# Allegro board mini_trx_layout.brd (continued)
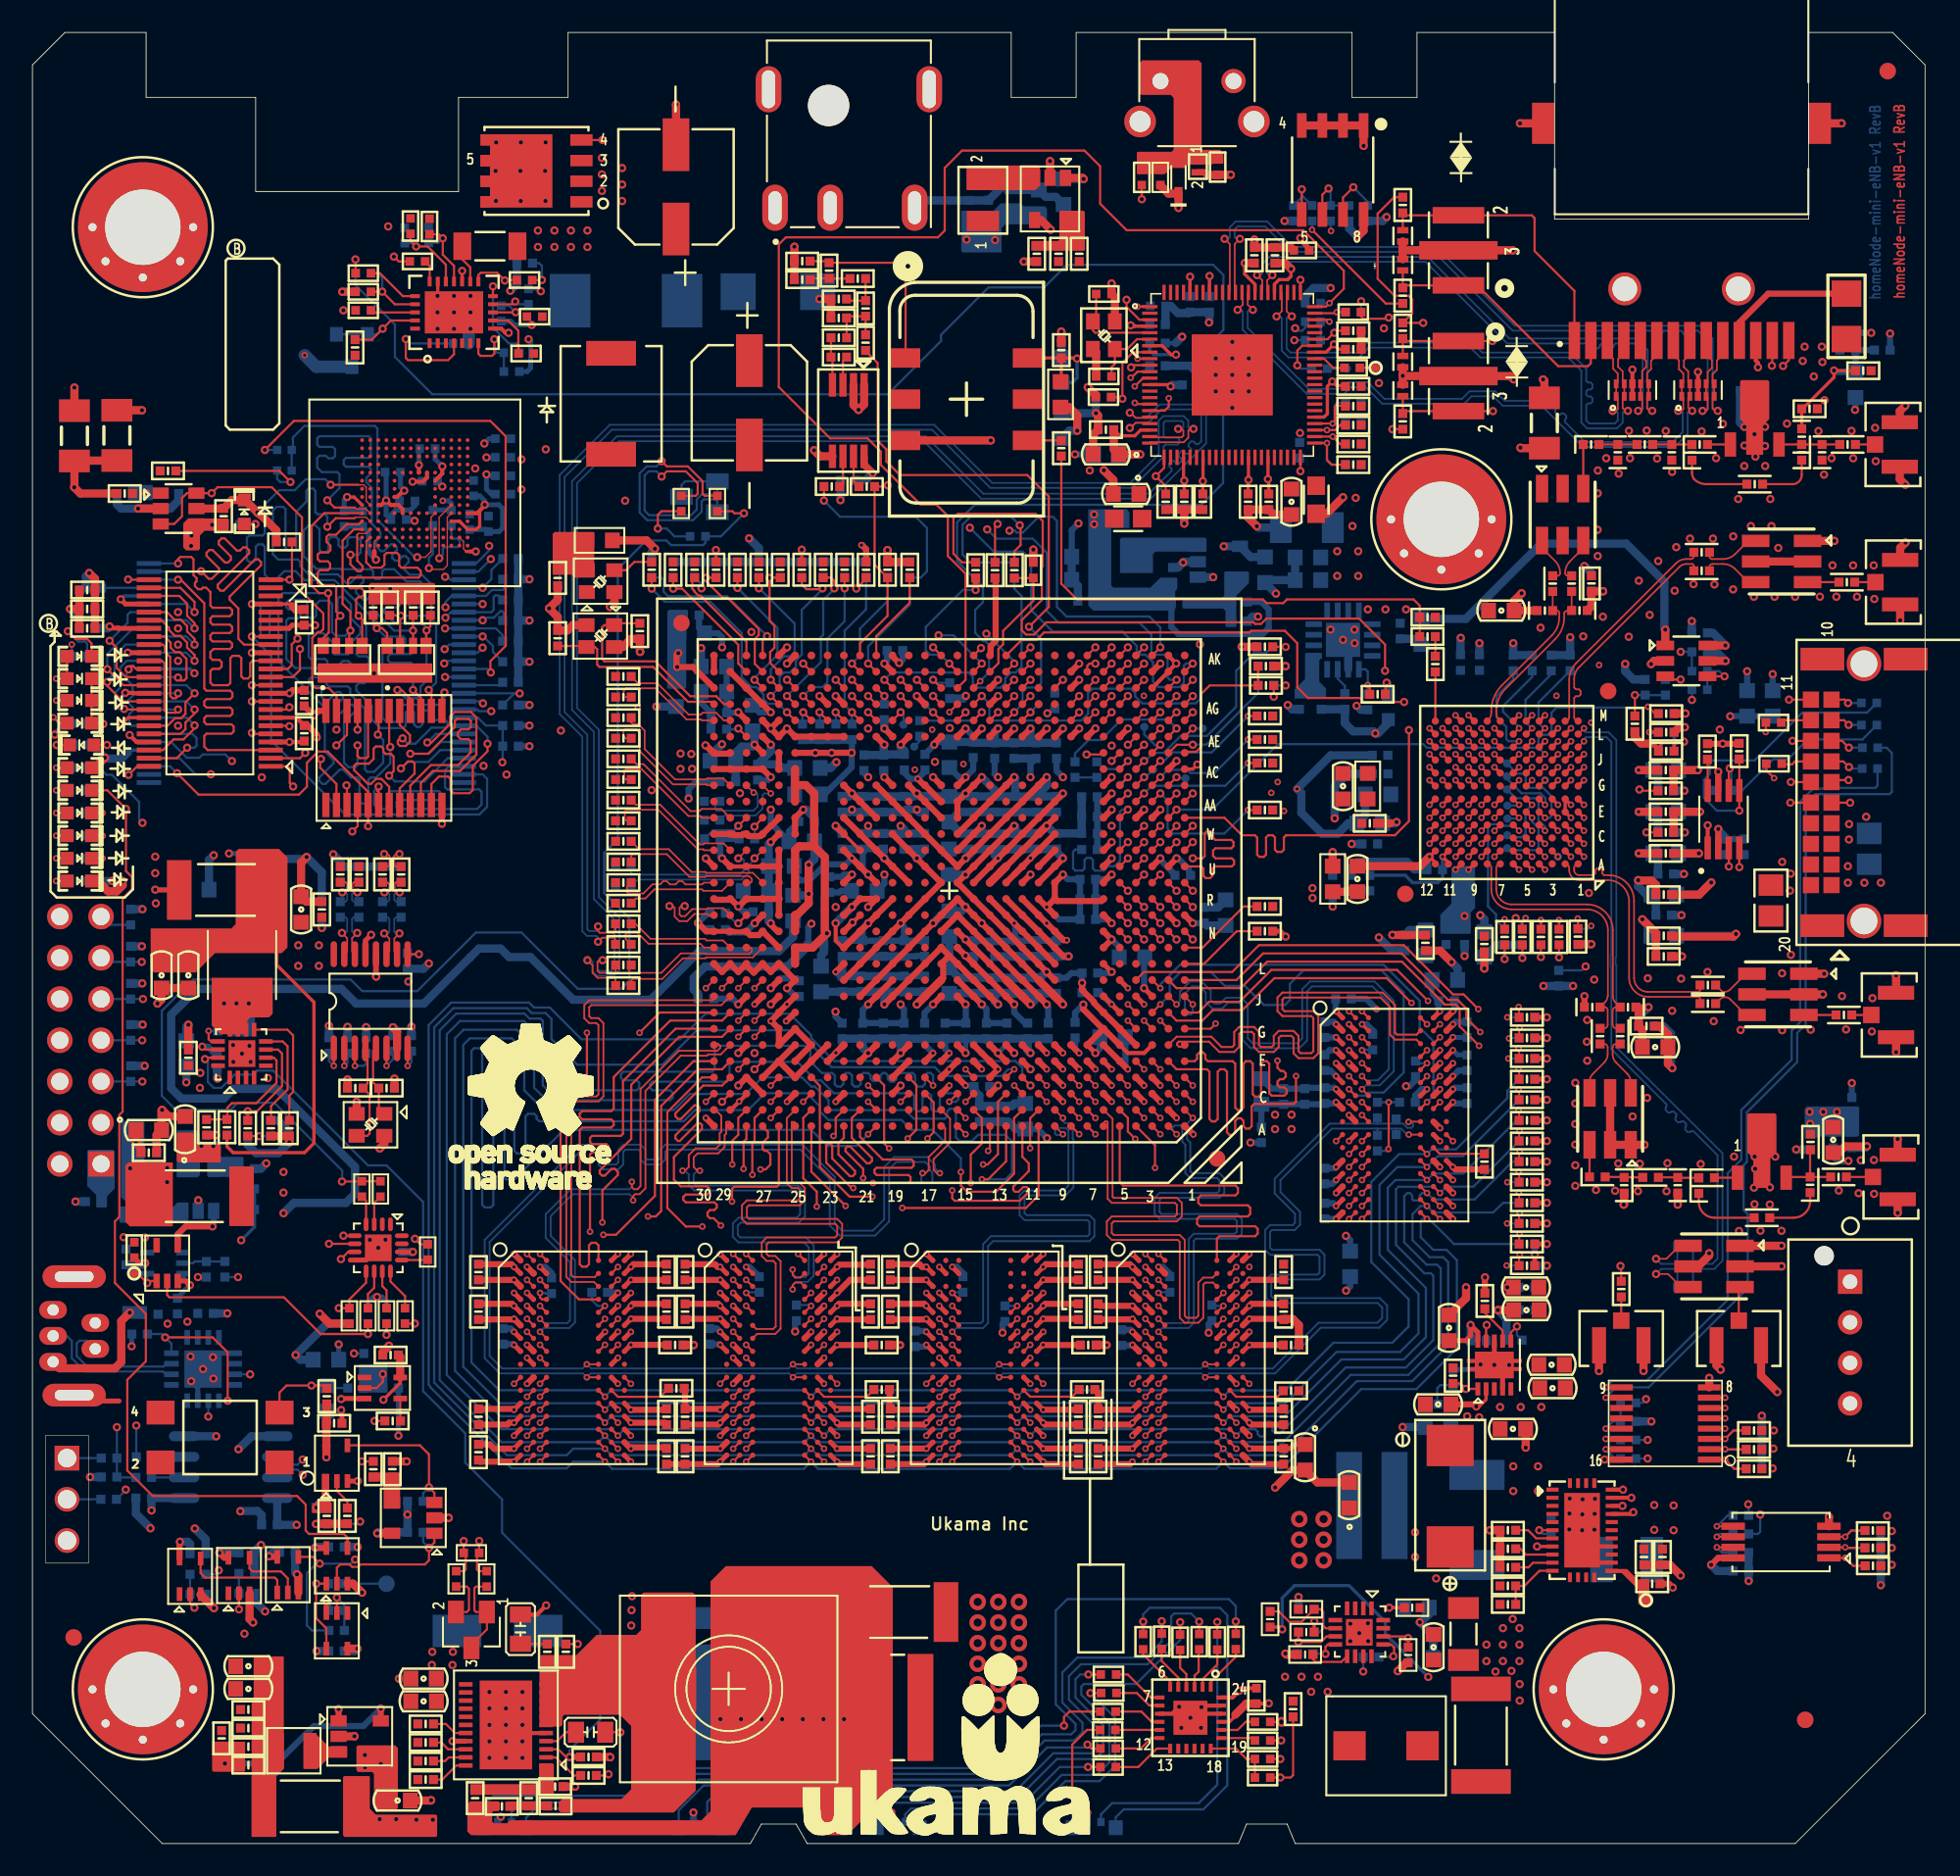
[diagram p0: board, top side]
## Footprints (pads in the part's own frame, mm; a bottom-side part is the same pattern mirrored in y, then rotated) (continued)
HDR7X2
  rect 1.575x1.575 hole 1.067: 1(0,0)
  round 1.575 hole 1.067: 2(0,2.54) 3(2.54,0) 4(2.54,2.54) 5(5.08,0) 6(5.08,2.54) 7(7.62,0) 8(7.62,2.54) 9(10.16,0) 10(10.16,2.54) 11(12.7,0) 12(12.7,2.54) 13(15.24,0) 14(15.24,2.54)
HOLE-1
  round 8 hole 4.648: 1(0,0)
  round 1 hole 0.5: 3(-3.1,0) 4(3.1,0) 5(0,-3.1) 6(-2.3,-2.1) 7(2.3,-2.1)
IC_ADP1755ACPZ-R7
  rect 1.016x0.356 smd: 1(-1.803,0.965) 2(-1.803,0.315) 3(-1.803,-0.335) 4(-1.803,-0.985) 9(1.803,-0.985) 10(1.803,-0.335) 11(1.803,0.315) 12(1.803,0.965)
  rect 0.356x1.016 smd: 5(-0.975,-1.813) 6(-0.325,-1.813) 7(0.325,-1.813) 8(0.975,-1.813) 13(0.975,1.793) 14(0.325,1.793) 15(-0.325,1.793) 16(-0.975,1.793)
  rect 2.108x2.108 smd: 17(0,0)
IC_JS28F512M29EWH
  rect 1.5x0.3 smd: 1(-9.7,6.75) 2(-9.7,6.25) 3(-9.7,5.75) 4(-9.7,5.25) 5(-9.7,4.75) 6(-9.7,4.25) 7(-9.7,3.75) 8(-9.7,3.25) 9(-9.7,2.75) 10(-9.7,2.25) 11(-9.7,1.75) 12(-9.7,1.25) 13(-9.7,0.75) 14(-9.7,0.25) 15(-9.7,-0.25) 16(-9.7,-0.75) 17(-9.7,-1.25) 18(-9.7,-1.75) 19(-9.7,-2.25) 20(-9.7,-2.75) 21(-9.7,-3.25) 22(-9.7,-3.75) 23(-9.7,-4.25) 24(-9.7,-4.75) 25(-9.7,-5.25) 26(-9.7,-5.75) 27(-9.7,-6.25) 28(-9.7,-6.75) 29(9.7,-6.75) 30(9.7,-6.25) 31(9.7,-5.75) 32(9.7,-5.25) 33(9.7,-4.75) 34(9.7,-4.25) 35(9.7,-3.75) 36(9.7,-3.25) 37(9.7,-2.75) 38(9.7,-2.25) 39(9.7,-1.75) 40(9.7,-1.25) 41(9.7,-0.75) 42(9.7,-0.25) 43(9.7,0.25) 44(9.7,0.75) 45(9.7,1.25) 46(9.7,1.75) 47(9.7,2.25) 48(9.7,2.75) 49(9.7,3.25) 50(9.7,3.75) 51(9.7,4.25) 52(9.7,4.75) 53(9.7,5.25) 54(9.7,5.75) 55(9.7,6.25) 56(9.7,6.75)
IC_TPS51200
  rect 0.813x0.305 smd: 1(-1.473,1.016) 2(-1.473,0.508) 3(-1.473,0) 4(-1.473,-0.508) 5(-1.473,-1.016) 6(1.473,-1.016) 7(1.473,-0.508) 8(1.473,0) 9(1.473,0.508) 10(1.473,1.016)
  custom 1.65x3.4 smd: EP1(0,0)
IND270X220X120
  rect 0.625x2 smd: 1(-0.937,0) 2(0.937,0)
IND-2520
  rect 0.8x2.2 smd: 1(-1,0) 2(1,0)
IND_5P55_7P4X6P8_5P00
  rect 1.85x3.4 smd: 1(-2.775,0) 2(2.775,0)
IND_VLCF4020
  rect 1.2x3.7 smd: 1(-1.4,0) 2(1.4,0)
INDC1608X95M
  rect 1.143x1.092 smd: 1(-0.864,0) 2(0.864,0)
INDP290X270X170
  rect 1.25x2 smd: 1(-1.275,0) 2(1.275,0)
L-1260X1260X600-2N
  rect 2.7x4 smd: 1(0,4) 2(0,-4)
LED-0603-12
  rect 0.8x0.8 smd: 1(0,0.75) 2(0,-0.75)
LED_XZCCBDMEDGK-4N
  rect 0.864x0.914 smd: 1(-1.332,0.175) 4(1.332,0.175)
  rect 0.45x0.5 smd: 2(-0.425,-0.175) 3(0.425,-0.175)
LM73606
  rect 0.75x0.25 smd: 1(-1.825,2.5) 2(-1.825,2) 3(-1.825,1.5) 4(-1.825,1) 5(-1.825,0.5) 6(-1.825,0) 7(-1.825,-0.5) 8(-1.825,-1) 9(-1.825,-1.5) 10(-1.825,-2) 11(-1.825,-2.5) 16(1.825,-2.5) 17(1.825,-2) 18(1.825,-1.5) 19(1.825,-1) 20(1.825,-0.5) 21(1.825,0) 22(1.825,0.5) 23(1.825,1) 24(1.825,1.5) 25(1.825,2) 26(1.825,2.5)
  rect 0.25x0.6 smd: 12(-0.75,-2.9) 13(-0.25,-2.9) 14(0.25,-2.9) 15(0.75,-2.9) 27(0.75,2.9) 28(0.25,2.9) 29(-0.25,2.9) 30(-0.75,2.9)
  rect 2.2x4.6 smd: 31(0,0)
MOLEX_2078430004
  round 1.2 hole 1.2 unplated: (5.35,1.6)
  rect 1.501x1.501 hole 0.899: 1(3.75,0)
  round 1.501 hole 0.899: 2(1.25,0) 3(-1.25,0) 4(-3.75,0)
MOLEX_5000751517
  oval 1.1x1.7 hole 0.7: 1(0,0) 2(0.8,2.6) 3(1.6,0) 4(2.4,2.6) 5(3.2,0)
  oval 1.4x3.9 hole 0.65x2.4: SH1(-2.05,1.3) SH2(5.25,1.3)
MSOP-8
  rect 0.45x1.45 smd: 1(-0.975,-2.2) 2(-0.325,-2.2) 3(0.325,-2.2) 4(0.975,-2.2) 5(0.975,2.2) 6(0.325,2.2) 7(-0.325,2.2) 8(-0.975,2.2)
OSC-250X200X55
  rect 1x0.85 smd: 1(-0.85,-0.675) 2(0.85,-0.675) 3(0.85,0.675) 4(-0.85,0.675)
QFN40P1000X1000X85-88N
  rect 0.95x0.2 smd: 1(-5.08,4.2) 2(-5.08,3.8) 3(-5.08,3.4) 4(-5.08,3) 5(-5.08,2.6) 6(-5.08,2.2) 7(-5.08,1.8) 8(-5.08,1.4) 9(-5.08,1) 10(-5.08,0.6) 11(-5.08,0.2) 12(-5.08,-0.2) 13(-5.08,-0.6) 14(-5.08,-1) 15(-5.08,-1.4) 16(-5.08,-1.8) 17(-5.08,-2.2) 18(-5.08,-2.6) 19(-5.08,-3) 20(-5.08,-3.4) 21(-5.08,-3.8) 22(-5.08,-4.2) 45(5.08,-4.2) 46(5.08,-3.8) 47(5.08,-3.4) 48(5.08,-3) 49(5.08,-2.6) 50(5.08,-2.2) 51(5.08,-1.8) 52(5.08,-1.4) 53(5.08,-1) 54(5.08,-0.6) 55(5.08,-0.2) 56(5.08,0.2) 57(5.08,0.6) 58(5.08,1) 59(5.08,1.4) 60(5.08,1.8) 61(5.08,2.2) 62(5.08,2.6) 63(5.08,3) 64(5.08,3.4) 65(5.08,3.8) 66(5.08,4.2)
  rect 0.2x0.95 smd: 23(-4.2,-5.08) 24(-3.8,-5.08) 25(-3.4,-5.08) 26(-3,-5.08) 27(-2.6,-5.08) 28(-2.2,-5.08) 29(-1.8,-5.08) 30(-1.4,-5.08) 31(-1,-5.08) 32(-0.6,-5.08) 33(-0.2,-5.08) 34(0.2,-5.08) 35(0.6,-5.08) 36(1,-5.08) 37(1.4,-5.08) 38(1.8,-5.08) 39(2.2,-5.08) 40(2.6,-5.08) 41(3,-5.08) 42(3.4,-5.08) 43(3.8,-5.08) 44(4.2,-5.08) 67(4.2,5.08) 68(3.8,5.08) 69(3.4,5.08) 70(3,5.08) 71(2.6,5.08) 72(2.2,5.08) 73(1.8,5.08) 74(1.4,5.08) 75(1,5.08) 76(0.6,5.08) 77(0.2,5.08) 78(-0.2,5.08) 79(-0.6,5.08) 80(-1,5.08) 81(-1.4,5.08) 82(-1.8,5.08) 83(-2.2,5.08) 84(-2.6,5.08) 85(-3,5.08) 86(-3.4,5.08) 87(-3.8,5.08) 88(-4.2,5.08)
  rect 5x5 smd: 89(0,0)
QFN50P300X300X100-17N
  oval 0.85x0.3 smd: 1(-1.45,0.75) 2(-1.45,0.25) 3(-1.45,-0.25) 4(-1.45,-0.75) 9(1.45,-0.75) 10(1.45,-0.25) 11(1.45,0.25) 12(1.45,0.75)
  oval 0.3x0.85 smd: 5(-0.75,-1.45) 6(-0.25,-1.45) 7(0.25,-1.45) 8(0.75,-1.45) 13(0.75,1.45) 14(0.25,1.45) 15(-0.25,1.45) 16(-0.75,1.45)
  rect 1.65x1.65 smd: 17(0,0)
QFN50P410X410X80-25N
  rect 0.25x0.6 smd: 1(-1.25,-1.9) 2(-0.75,-1.9) 3(-0.25,-1.9) 4(0.25,-1.9) 5(0.75,-1.9) 6(1.25,-1.9) 13(1.25,1.9) 14(0.75,1.9) 15(0.25,1.9) 16(-0.25,1.9) 17(-0.75,1.9) 18(-1.25,1.9)
  rect 0.6x0.25 smd: 7(1.9,-1.25) 8(1.9,-0.75) 9(1.9,-0.25) 10(1.9,0.25) 11(1.9,0.75) 12(1.9,1.25) 19(-1.9,1.25) 20(-1.9,0.75) 21(-1.9,0.25) 22(-1.9,-0.25) 23(-1.9,-0.75) 24(-1.9,-1.25)
  rect 2.1x2.1 smd: 25(0,0)
QFN50P500X400X80-25N
  rect 0.25x0.6 smd: 1(-1.5,-1.9) 2(-1,-1.9) 3(-0.5,-1.9) 4(0,-1.9) 5(0.5,-1.9) 6(1,-1.9) 7(1.5,-1.9) 13(1.5,1.9) 14(1,1.9) 15(0.5,1.9) 16(0,1.9) 17(-0.5,1.9) 18(-1,1.9) 19(-1.5,1.9)
  rect 0.6x0.25 smd: 8(2.4,-1) 9(2.4,-0.5) 10(2.4,0) 11(2.4,0.5) 12(2.4,1) 20(-2.4,1) 21(-2.4,0.5) 22(-2.4,0) 23(-2.4,-0.5) 24(-2.4,-1)
  rect 3.6x2.6 smd: 25(0,0)
QFN-16
  rect 0.35x0.9 smd: 1(-0.975,-1.95) 2(-0.325,-1.95) 3(0.325,-1.95) 4(0.975,-1.95) 9(0.975,1.95) 10(0.325,1.95) 11(-0.325,1.95) 12(-0.975,1.95)
  rect 0.9x0.35 smd: 5(1.95,-0.975) 6(1.95,-0.325) 7(1.95,0.325) 8(1.95,0.975) 13(-1.95,0.975) 14(-1.95,0.325) 15(-1.95,-0.325) 16(-1.95,-0.975)
  rect 2.3x2.3 smd: 17(0,0)
R0402
  rect 0.533x0.533 smd: 1(-0.475,0) 2(0.475,0)
R1206
  rect 1.1x1.699 smd: 1(-1.699,0) 2(1.699,0)
R2512
  rect 1.519x3.681 smd: 1(-2.855,0) 2(2.855,0)
RCL1225
  rect 1.6x6.6 smd: 1(-1.4,0) 2(1.4,0)
RMO1490A
  rect 1.2x1.8 smd: 1(-2.54,-3.75) 2(0,-3.75) 3(2.54,-3.75) 4(2.54,3.75) 5(0,3.75) 6(-2.54,3.75)
SC70_5P
  rect 0.4x0.9 smd: 1(-0.65,-1.1) 2(0,-1.1) 3(0.65,-1.1) 4(0.65,1.1) 5(-0.65,1.1)
SIP-3P
  rect 1.524x1.524 hole 1.143: 1(-2.54,0)
  round 1.524 hole 1.143: 2(0,0) 3(2.54,0)
SMD20-A
  round 0.508 smd: 1(0,0)
SMR0402A
  rect 0.508x0.508 smd: 1(0,0) 2(0,-0.889)
SO8
  oval 0.61x1.88 smd: 1(-1.905,-2.87) 2(-0.635,-2.87) 3(0.635,-2.87) 4(1.905,-2.87) 5(1.905,2.87) 6(0.635,2.87) 7(-0.635,2.87) 8(-1.905,2.87)
SOD523F_2P_1_30X0_90_0_70MM
  rect 0.813x0.508 smd: A(1,0) K(-1,0)
SOD882_2P_0_62X1_02_0_50MM
  rect 0.4x0.8 smd: 1(-0.35,0) 2(0.35,0)
SOIC127P600X175-8N_ON-SEMI
  rect 1.519x0.599 smd: 1(-2.741,1.905) 2(-2.741,0.635) 3(-2.741,-0.635) 4(-2.741,-1.905) 5(2.741,-1.905) 6(2.741,-0.635) 7(2.741,0.635) 8(2.741,1.905)
SON50P500X600X150-23N
  rect 0.85x0.28 smd: 1(-2.475,2.5) 2(-2.475,2) 3(-2.475,1.5) 4(-2.475,1) 5(-2.475,0.5) 6(-2.475,0) 7(-2.475,-0.5) 8(-2.475,-1) 9(-2.475,-1.5) 10(-2.475,-2) 11(-2.475,-2.5) 12(2.475,-2.5) 13(2.475,-2) 14(2.475,-1.5) 15(2.475,-1) 16(2.475,-0.5) 17(2.475,0) 18(2.475,0.5) 19(2.475,1) 20(2.475,1.5) 21(2.475,2) 22(2.475,2.5)
  rect 3.24x5.48 smd: 23(0,0)
SOP65P400X130-8N
  custom 1.42x0.4 smd: 1(-1.77,0.975) 2(-1.77,0.325) 3(-1.77,-0.325) 4(-1.77,-0.975) 5(1.77,-0.975) 6(1.77,-0.325) 7(1.77,0.325) 8(1.77,0.975)
SOT23
  rect 0.991x1.397 smd: 1(-0.953,-1.105) 2(0.953,-1.105) 3(0,1.105)
SOT23_95P300X100X110
  rect 0.8x0.9 smd: 1(-0.95,-1) 2(0.95,-1) 3(0,1)
SOT-23-5
  rect 0.7x1 smd: 1(-0.95,-1.3) 2(0,-1.3) 3(0.95,-1.3) 4(0.95,1.3) 5(-0.95,1.3)
SOT-23-6
  rect 1.1x0.6 smd: 1(-1.3,0.95) 2(-1.3,0) 3(-1.3,-0.95) 4(1.3,-0.95) 5(1.3,0) 6(1.3,0.95)
SOT-353
  rect 0.35x0.85 smd: 1(-0.65,-1.1) 2(0,-1.1) 3(0.65,-1.1) 4(0.65,1.1) 5(-0.65,1.1)
SOTFL150P409X160-4N
  rect 0.711x1.499 smd: 1(-1.499,-1.92) 3(1.499,-1.92)
  custom 1.8x4.6 smd: 2(0,-0.254)
SSOP16-0635-5X4MM
  rect 0.381x1.397 smd: 1(-2.223,-2.7) 2(-1.587,-2.7) 3(-0.953,-2.7) 4(-0.318,-2.7) 5(0.318,-2.7) 6(0.953,-2.7) 7(1.587,-2.7) 8(2.223,-2.7) 9(2.223,2.7) 10(1.587,2.7) 11(0.953,2.7) 12(0.318,2.7) 13(-0.318,2.7) 14(-0.953,2.7) 15(-1.587,2.7) 16(-2.223,2.7)
SW-TLS3305
  rect 1.727x1.473 smd: 1(3.664,-1.537) 2(-3.664,-1.537) 3(3.664,1.537) 4(-3.664,1.537)
TCM1-63AX
  rect 0.76x1.7 smd: 1(-1.27,1.6) 2(0,1.6) 3(1.27,1.6) 4(1.27,-1.6) 5(0,-1.6) 6(-1.27,-1.6)
TE_1825027-2
  round 1.498 hole 0.99: 1(-2.25,-1.245) 2(2.25,-1.245)
  round 1.95 hole 1.3: 3(-3.505,1.245) 4(3.505,1.245)
TI_TPD4E05U06DQAR
  rect 0.55x0.3 smd: 1(-0.385,1) 2(-0.385,0.5) 4(-0.385,-0.5) 5(-0.385,-1) 6(0.385,-1) 7(0.385,-0.5) 9(0.385,0.5) 10(0.385,1)
  rect 0.55x0.4 smd: 3(-0.385,0) 8(0.385,0)
TP_40C
  round 1.016 smd: 1(0,0)
TQFN-16
  rect 0.85x0.28 smd: 1(-1.475,0.75) 2(-1.475,0.25) 3(-1.475,-0.25) 4(-1.475,-0.75) 9(1.475,-0.75) 10(1.475,-0.25) 11(1.475,0.25) 12(1.475,0.75)
  rect 0.28x0.85 smd: 5(-0.75,-1.475) 6(-0.25,-1.475) 7(0.25,-1.475) 8(0.75,-1.475) 13(0.75,1.475) 14(0.25,1.475) 15(-0.25,1.475) 16(-0.75,1.475)
  rect 1.65x1.65 smd: 17(0,0)
TSOT-26-6
  rect 1x0.7 smd: 1(-1.1,0.95) 2(-1.1,0) 3(-1.1,-0.95) 4(1.1,-0.95) 5(1.1,0) 6(1.1,0.95)
TSSOP8
  rect 1.45x0.45 smd: 1(-2.95,0.975) 2(-2.95,0.325) 3(-2.95,-0.325) 4(-2.95,-0.975) 5(2.95,-0.975) 6(2.95,-0.325) 7(2.95,0.325) 8(2.95,0.975)
TSSOP16
  oval 0.4x1.6 smd: 1(-2.275,-2.9) 2(-1.625,-2.9) 3(-0.975,-2.9) 4(-0.325,-2.9) 5(0.325,-2.9) 6(0.975,-2.9) 7(1.625,-2.9) 8(2.275,-2.9) 9(2.275,2.9) 10(1.625,2.9) 11(0.975,2.9) 12(0.325,2.9) 13(-0.325,2.9) 14(-0.975,2.9) 15(-1.625,2.9) 16(-2.275,2.9)
TSSOP48
  rect 0.3x1.5 smd: 1(-5.75,-3.75) 2(-5.25,-3.75) 3(-4.75,-3.75) 4(-4.25,-3.75) 5(-3.75,-3.75) 6(-3.25,-3.75) 7(-2.75,-3.75) 8(-2.25,-3.75) 9(-1.75,-3.75) 10(-1.25,-3.75) 11(-0.75,-3.75) 12(-0.25,-3.75) 13(0.25,-3.75) 14(0.75,-3.75) 15(1.25,-3.75) 16(1.75,-3.75) 17(2.25,-3.75) 18(2.75,-3.75) 19(3.25,-3.75) 20(3.75,-3.75) 21(4.25,-3.75) 22(4.75,-3.75) 23(5.25,-3.75) 24(5.75,-3.75) 25(5.75,3.75) 26(5.25,3.75) 27(4.75,3.75) 28(4.25,3.75) 29(3.75,3.75) 30(3.25,3.75) 31(2.75,3.75) 32(2.25,3.75) 33(1.75,3.75) 34(1.25,3.75) 35(0.75,3.75) 36(0.25,3.75) 37(-0.25,3.75) 38(-0.75,3.75) 39(-1.25,3.75) 40(-1.75,3.75) 41(-2.25,3.75) 42(-2.75,3.75) 43(-3.25,3.75) 44(-3.75,3.75) 45(-4.25,3.75) 46(-4.75,3.75) 47(-5.25,3.75) 48(-5.75,3.75)
TSSOP-24
  rect 1.5x0.45 smd: 1(-2.9,3.575) 2(-2.9,2.925) 3(-2.9,2.275) 4(-2.9,1.625) 5(-2.9,0.975) 6(-2.9,0.325) 7(-2.9,-0.325) 8(-2.9,-0.975) 9(-2.9,-1.625) 10(-2.9,-2.275) 11(-2.9,-2.925) 12(-2.9,-3.575) 13(2.9,-3.575) 14(2.9,-2.925) 15(2.9,-2.275) 16(2.9,-1.625) 17(2.9,-0.975) 18(2.9,-0.325) 19(2.9,0.325) 20(2.9,0.975) 21(2.9,1.625) 22(2.9,2.275) 23(2.9,2.925) 24(2.9,3.575)
unnamed#2
  round 1.016 smd: (0,0)
VSON127P610X510X105-8N
  rect 1.372x0.71 smd: 1(-2.77,1.905) 2(-2.77,0.635) 3(-2.77,-0.635) 4(-2.77,-1.905)
  custom 4.44x4.52 smd: 5(1.236,0)
  rect 0.59x0.71 smd: 6(3.162,-0.635) 7(3.162,0.635) 8(3.162,1.905)
WFBGA_EMMC153
  round 0.24 smd: A1(-3.25,3.25) A2(-2.75,3.25) A3(-2.25,3.25) A4(-1.75,3.25) A5(-1.25,3.25) A6(-0.75,3.25) A7(-0.25,3.25) A8(0.25,3.25) A9(0.75,3.25) A10(1.25,3.25) A11(1.75,3.25) A12(2.25,3.25) A13(2.75,3.25) A14(3.25,3.25) B1(-3.25,2.75) B2(-2.75,2.75) B3(-2.25,2.75) B4(-1.75,2.75) B5(-1.25,2.75) B6(-0.75,2.75) B7(-0.25,2.75) B8(0.25,2.75) B9(0.75,2.75) B10(1.25,2.75) B11(1.75,2.75) B12(2.25,2.75) B13(2.75,2.75) B14(3.25,2.75) C1(-3.25,2.25) C2(-2.75,2.25) C3(-2.25,2.25) C4(-1.75,2.25) C5(-1.25,2.25) C6(-0.75,2.25) C7(-0.25,2.25) C8(0.25,2.25) C9(0.75,2.25) C10(1.25,2.25) C11(1.75,2.25) C12(2.25,2.25) C13(2.75,2.25) C14(3.25,2.25) D1(-3.25,1.75) D2(-2.75,1.75) D3(-2.25,1.75) D4(-1.75,1.75) D12(2.25,1.75) D13(2.75,1.75) D14(3.25,1.75) E1(-3.25,1.25) E2(-2.75,1.25) E3(-2.25,1.25) E5(-1.25,1.25) E6(-0.75,1.25) E7(-0.25,1.25) E8(0.25,1.25) E9(0.75,1.25) E10(1.25,1.25) E12(2.25,1.25) E13(2.75,1.25) E14(3.25,1.25) F1(-3.25,0.75) F2(-2.75,0.75) F3(-2.25,0.75) F5(-1.25,0.75) F10(1.25,0.75) F12(2.25,0.75) F13(2.75,0.75) F14(3.25,0.75) G1(-3.25,0.25) G2(-2.75,0.25) G3(-2.25,0.25) G5(-1.25,0.25) G10(1.25,0.25) G12(2.25,0.25) G13(2.75,0.25) G14(3.25,0.25) H1(-3.25,-0.25) H2(-2.75,-0.25) H3(-2.25,-0.25) H5(-1.25,-0.25) H10(1.25,-0.25) H12(2.25,-0.25) H13(2.75,-0.25) H14(3.25,-0.25) J1(-3.25,-0.75) J2(-2.75,-0.75) J3(-2.25,-0.75) J5(-1.25,-0.75) J10(1.25,-0.75) J12(2.25,-0.75) J13(2.75,-0.75) J14(3.25,-0.75) K1(-3.25,-1.25) K2(-2.75,-1.25) K3(-2.25,-1.25) K5(-1.25,-1.25) K6(-0.75,-1.25) K7(-0.25,-1.25) K8(0.25,-1.25) K9(0.75,-1.25) K10(1.25,-1.25) K12(2.25,-1.25) K13(2.75,-1.25) K14(3.25,-1.25) L1(-3.25,-1.75) L2(-2.75,-1.75) L3(-2.25,-1.75) L12(2.25,-1.75) L13(2.75,-1.75) L14(3.25,-1.75) M1(-3.25,-2.25) M2(-2.75,-2.25) M3(-2.25,-2.25) M4(-1.75,-2.25) M5(-1.25,-2.25) M6(-0.75,-2.25) M7(-0.25,-2.25) M8(0.25,-2.25) M9(0.75,-2.25) M10(1.25,-2.25) M11(1.75,-2.25) M12(2.25,-2.25) M13(2.75,-2.25) M14(3.25,-2.25) N1(-3.25,-2.75) N2(-2.75,-2.75) N3(-2.25,-2.75) N4(-1.75,-2.75) N5(-1.25,-2.75) N6(-0.75,-2.75) N7(-0.25,-2.75) N8(0.25,-2.75) N9(0.75,-2.75) N10(1.25,-2.75) N11(1.75,-2.75) N12(2.25,-2.75) N13(2.75,-2.75) N14(3.25,-2.75) P1(-3.25,-3.25) P2(-2.75,-3.25) P3(-2.25,-3.25) P4(-1.75,-3.25) P5(-1.25,-3.25) P6(-0.75,-3.25) P7(-0.25,-3.25) P8(0.25,-3.25) P9(0.75,-3.25) P10(1.25,-3.25) P11(1.75,-3.25) P12(2.25,-3.25) P13(2.75,-3.25) P14(3.25,-3.25)
WURTH_7498111120R
  round 2.032 hole 1.524: (-3.5,0.9) (3.5,0.9)
  rect 0.71x2.29 smd: 1(-6.604,-2.28) 2(-5.588,-2.28) 3(-4.572,-2.28) 4(-3.556,-2.28) 5(-2.54,-2.28) 6(-1.524,-2.28) 7(-0.508,-2.28) 8(0.508,-2.28) 9(1.524,-2.28) 10(2.54,-2.28) 11(3.556,-2.28) 12(4.572,-2.28) 13(5.588,-2.28) 14(6.604,-2.28)
  rect 1.4x2.54 smd: S1(-8.51,11.1) S2(8.51,11.1)

## Nets
1V3_TX1: C396.1 C409.2 C416.2 C418.1 L29.2 L34.2 L36.2 U3.M9(TX1B_P) U3.M10(TX1B_N)
1V3_TX2: C141.1 C144.2 C145.2 C415.1 L30.2 L35.2 L37.2 U3.A9(TX2B_N) U3.A10(TX2B_P)
1V5: L24.2 R149.2
1V8: C134.1 C359.1 C360.1 C361.1 C362.1 C363.1 C364.1 C373.1 C378.1 C380.1 L12.2 R194.1 R196.1 R198.1 R231.2 R415.1 U1.AB6(VDD18_8) U1.AC1(VDD18_9) U1.P1(VDD18_1) U1.P6(VDD18_2) U1.T6(VDD18_3) U1.U2(VDD18_4) U1.V6(VDD18_5) U1.Y3(VDD18_6) U1.Y6(VDD18_7)
1V15: C615.1 C616.1 C617.1 C618.1 C619.1 FB20.2 L50.1 R585.2
1V35: C58.1 C59.1 C60.1 C61.1 C81.1 C82.1 C83.1 C84.1 C85.1 C87.1 C88.1 C89.1 C90.1 C99.1 C100.1 C101.1 C102.1 C105.1 C106.1 C107.1 C108.1 C109.1 C110.1 C117.1 C118.1 C119.1 C120.1 C121.1 C124.1 C125.1 C126.1 C127.1 C135.1 C136.1 C137.1 C138.1 C139.1 C177.1 C178.1 C239.1 C241.1 C251.1 C269.1 C283.1 C291.1 C299.1 C309.1 C316.1 C318.1 C324.1 C331.1 C332.1 C339.1 C346.1 C352.1 C358.1 C365.1 C366.1 C367.1 C371.1 C394.1 C402.1 C403.1 C405.1 C406.1 C408.1 C410.1 C423.2 C428.1 C431.1 C432.1 C433.1 R112.2 R189.1 R407.1 R424.1 R474.1 U1.C4(VDD_DDR_1) U1.C6(VDD_DDR_2) U1.C9(VDD_DDR_3) U1.C13(VDD_DDR_4) U1.C16(VDD_DDR_5) U1.C19(VDD_DDR_6) U1.C22(VDD_DDR_7) U1.C25(VDD_DDR_8) U1.C27(VDD_DDR_9) U1.D3(VDD_DDR_10) U1.D28(VDD_DDR_11) U1.E6(VDD_DDR_12) U1.E8(VDD_DDR_13) U1.E10(VDD_DDR_14) U1.E12(VDD_DDR_15) U1.E14(VDD_DDR_16) U1.E16(VDD_DDR_17) U1.E17(VDD_DDR_18) U1.E19(VDD_DDR_19) U1.E21(VDD_DDR_20) U1.E23(VDD_DDR_21) U1.E25(VDD_DDR_22) U1.F3(VDD_DDR_23) U1.F5(VDD_DDR_24) U1.F7(VDD_DDR_25) U1.F9(VDD_DDR_26) U1.F11(VDD_DDR_27) U1.F13(VDD_DDR_28) U1.F15(VDD_DDR_29) U1.F18(VDD_DDR_30) U1.F20(VDD_DDR_31) U1.F22(VDD_DDR_32) U1.F24(VDD_DDR_33) U1.F26(VDD_DDR_34) U1.F28(VDD_DDR_35) U1.G6(VDD_DDR_36) U1.G25(VDD_DDR_37) U1.G26(VDD_DDR_38) U1.H5(VDD_DDR_39) U1.H26(VDD_DDR_40) U1.J3(VDD_DDR_41) U1.J6(VDD_DDR_42) U1.J25(VDD_DDR_43) U1.J28(VDD_DDR_44) U1.K5(VDD_DDR_45) U1.K26(VDD_DDR_46) U1.L6(VDD_DDR_47) U11.A1(VDDQ1) U11.A8(VDDQ2) U11.B2(VDD1) U11.C1(VDDQ3) U11.C9(VDDQ4) U11.D2(VDDQ5) U11.D9(VDD2) U11.E9(VDDQ6) U11.F1(VDDQ7) U11.G7(VDD3) U11.H2(VDDQ8) U11.H9(VDDQ9) U11.K2(VDD4) U11.K8(VDD5) U11.N1(VDD6) U11.N9(VDD7) U11.R1(VDD8) U11.R9(VDD9) U15.A1(VDDQ1) U15.A8(VDDQ2) U15.B2(VDD1) U15.C1(VDDQ3) U15.C9(VDDQ4) U15.D2(VDDQ5) U15.D9(VDD2) U15.E9(VDDQ6) U15.F1(VDDQ7) U15.G7(VDD3) U15.H2(VDDQ8) U15.H9(VDDQ9) U15.K2(VDD4) U15.K8(VDD5) U15.N1(VDD6) U15.N9(VDD7) U15.R1(VDD8) U15.R9(VDD9) U23.A1(VDDQ1) U23.A8(VDDQ2) U23.B2(VDD1) U23.C1(VDDQ3) U23.C9(VDDQ4) U23.D2(VDDQ5) U23.D9(VDD2) U23.E9(VDDQ6) U23.F1(VDDQ7) U23.G7(VDD3) U23.H2(VDDQ8) U23.H9(VDDQ9) U23.K2(VDD4) U23.K8(VDD5) U23.N1(VDD6) U23.N9(VDD7) U23.R1(VDD8) U23.R9(VDD9) U30.A1(VDDQ1) U30.A8(VDDQ2) U30.B2(VDD1) U30.C1(VDDQ3) U30.C9(VDDQ4) U30.D2(VDDQ5) U30.D9(VDD2) U30.E9(VDDQ6) U30.F1(VDDQ7) U30.G7(VDD3) U30.H2(VDDQ8) U30.H9(VDDQ9) U30.K2(VDD4) U30.K8(VDD5) U30.N1(VDD6) U30.N9(VDD7) U30.R1(VDD8) U30.R9(VDD9) U35.A1(VDDQ1) U35.A8(VDDQ2) U35.B2(VDD1) U35.C1(VDDQ3) U35.C9(VDDQ4) U35.D2(VDDQ5) U35.D9(VDD2) U35.E9(VDDQ6) U35.F1(VDDQ7) U35.G7(VDD3) U35.H2(VDDQ8) U35.H9(VDDQ9) U35.K2(VDD4) U35.K8(VDD5) U35.N1(VDD6) U35.N9(VDD7) U35.R1(VDD8) U35.R9(VDD9) U42.2(VLDOIN)
1V35_PG: R340.2 R436.1 U14.14(PWRGD)
3V3: C31.2(B[0]) C57.1 C86.1 C93.2 C95.1 C98.1 C103.1 C104.1 C111.1 C113.1 C115.1 C128.1 C130.2 C170.1 C179.1 C181.1 C203.1 C206.1 C210.1 C260.1 C275.1 C277.1 C286.1 C292.1 C294.1 C302.1 C304.1 C310.1 C317.1 C320.1 C325.1 C326.1 C333.1 C340.1 C347.1 C353.1 C388.1 C389.1 C390.1 C601.1 C614.2 C620.1 C651.2 D6.K FB19.2 J5.14 L9.2 L11.2 L20.2 L21.2 L22.2 L25.2 R18.1 R64.1 R67.2 R76.1 R101.2 R107.2 R109.2 R110.2 R111.2 R113.2 R125.1 R127.1 R129.1 R131.1 R133.1 R134.1 R139.1 R140.1 R141.2 R142.1 R145.1 R146.2 R147.1 R148.1 R152.1 R153.1 R161.2 R165.1 R167.1 R179.1 R181.2 R182.1 R199.1 R204.2 R206.2 R208.2 R210.1 R236.1 R292.1 R303.1 R325.1 R329.1 R330.2 R335.1 R340.1 R346.1 R369.1 R373.1 R381.1 R386.1 R390.2 R392.1 R393.1 R397.1 R425.2 R426.2 R427.2 R428.2 R429.2 R430.2 R431.2 R432.2 R434.2 R552.2 R556.1 R564.1 R567.1 R576.2 R590.2 R593.1 R594.2 R597.2 R601.2 R602.1 R603.1 R607.1 R608.1 R622.1 R623.1 RV1.1 U1.AD25(USB_VDD33) U1.AE5(VDD33_1) U1.AE7(VDD33_2) U1.AE9(VDD33_3) U1.AE11(VDD33_4) U1.AE13(VDD33_5) U1.AE15(VDD33_6) U1.AE16(VDD33_7) U1.AE18(VDD33_8) U1.AE20(VDD33_9) U1.AG17(VDD33_10) U1.AG23(VDD33_11) U1.AH8(VDD33_12) U1.AH13(VDD33_13) U1.AJ3(VDD33_14) U1.AK19(VDD33_15) U1.AK26(VDD33_16) U5.5(VCC) U6.5(VCC) U10.5(VCC) U13.12(VDDA) U13.16(VDDX) U16.5(VCC) U17.5(VCC) U18.5(VCC) U19.8(VCC) U20.16(VCC) U22.7(VCC#7) U22.18(VCC#18) U22.31(VCC#31) U22.42(VCC#42) U24.2(S2) U28.14(V+) U31.1(VDD1) U32.5(VCC) U33.5(VCC) U34.5(VCC) U42.10(VIN) U44.1(VCC) U44.2(VREF) U44.5(A0) U57.5(VCC) U63.4(VIN) U64.29(VCCQ) U64.43(VCC) U69.4(VIN) U83.1(EN) U83.4(VIN) U242.21(VDD) U245.1(EN) U245.4(VIN) U250.8(VCC) U254.2(VREF1)
3V3_PG: R64.2 R293.1 U4.14(PWRGD)
5V: C25.1 C26.1 C43.1 C92.1 C114.1 C200.1 C225.1 C226.1 C231.1 C252.1 C658.1 C659.1 J23.19 J23.20 L51.2 LED11.2(A) LED12.2(A) LED13.2(A) LED14.2(A) R65.2 R95.2 R411.2 R437.1 R621.2 R624.1 R625.1 U4.1(VIN#1) U4.2(VIN#2) U4.15(EN) U4.16(VIN#16) U7.12(VIN#12) U7.13(VIN#13) U7.14(VIN#14) U7.15(VIN#15) U7.16(VIN#16) U7.17(VIN#17) U7.19(VDD) U14.1(VIN#1) U14.2(VIN#2) U14.16(VIN#16) U27.24(VCC) U254.7(VREF2)
5V_LDO_EN: R104.2 U20.4(P0)
5V_LDO_PG: J23.13 U20.5(P1)
5V_PG: R76.2 TP2.1(PAD) U8.16(PGOOD)
12V_ALRT: R557.1 U1.AH14(GPIO10)
12V_DCDC_PGOOD: R627.2 U20.6(P2)
AVDD_1V5: C621.1 C622.1 C623.1 C624.1 C625.1 C626.1 C627.1 FB18.1 U243.4(AVDD15) U243.20(P5_AVDD15) U243.26(P3_AVDD15) U243.36(P4_AVDD15) U243.71(P1_AVDD15) U243.81(P2_AVDD15)
AVDD_3V3: C628.1 C629.1 C630.1 C631.1 C632.1 C633.1 C634.1 C635.1 C636.1 FB19.1 U243.7(VDD_PLL) U243.13(EE_VDDO) U243.29(P3_AVDD33) U243.39(P4_AVDD33) U243.49(P0_VDDO1) U243.59(P0_VDDO2) U243.74(P1_AVDD33) U243.84(P2_AVDD33)
